# Altium PCB ControlBoard.PcbDoc (part 1 of 2) (continued)
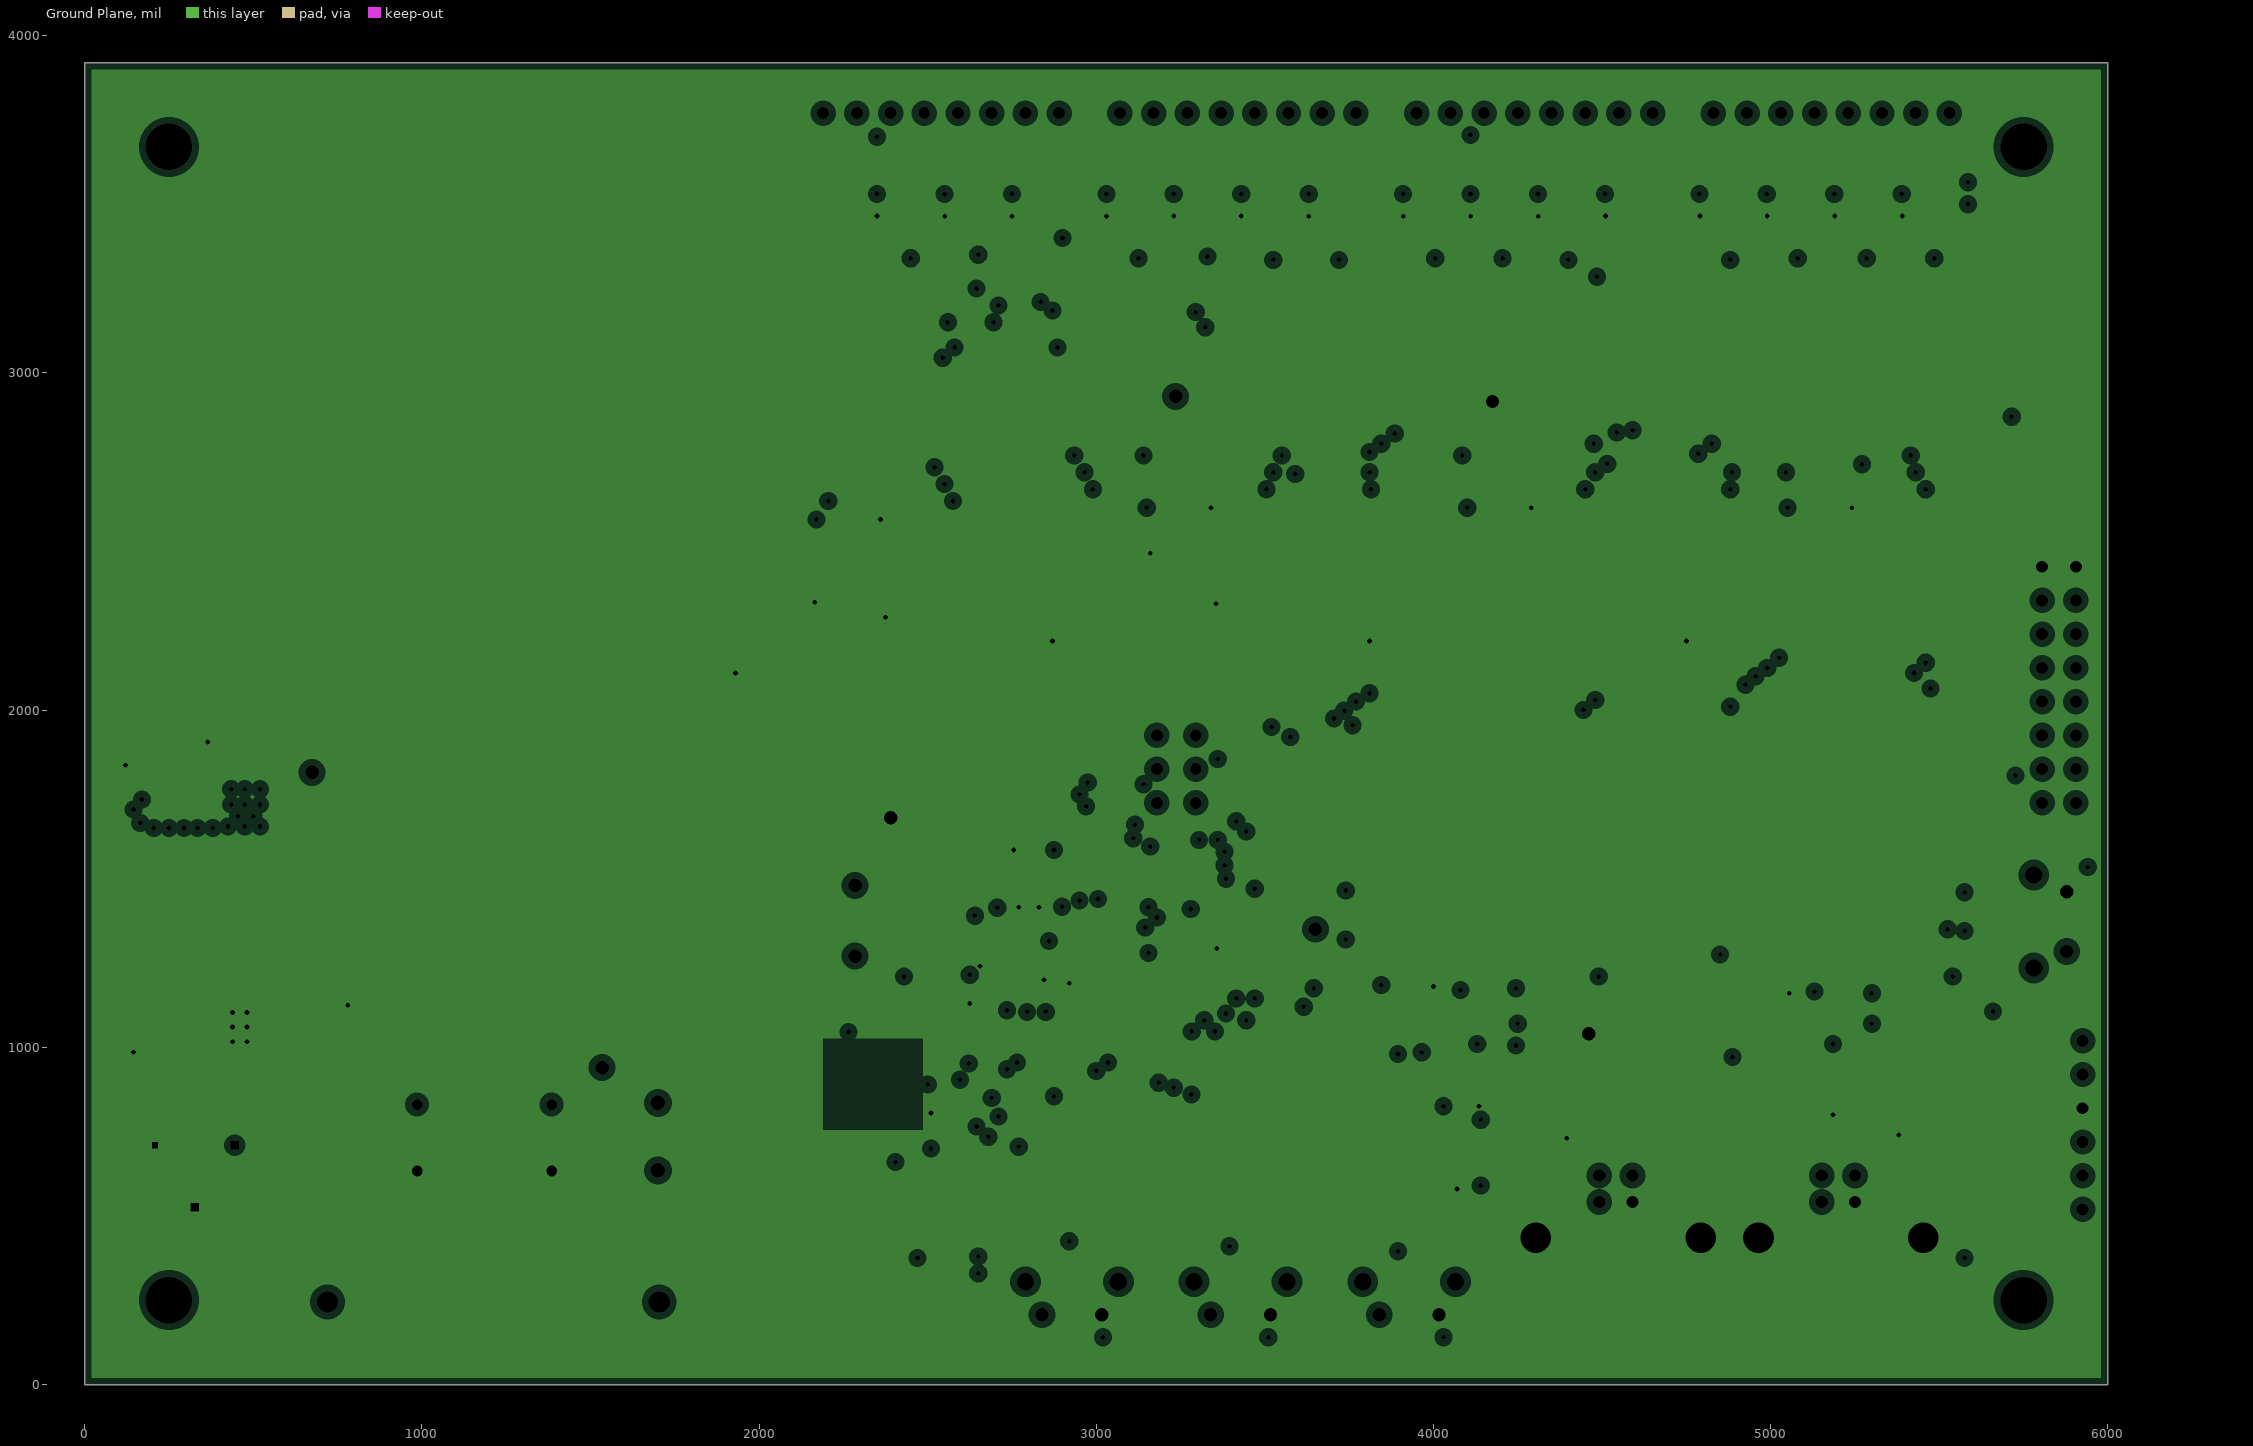
[diagram p3: Ground Plane, clearances drawn from the general rule]
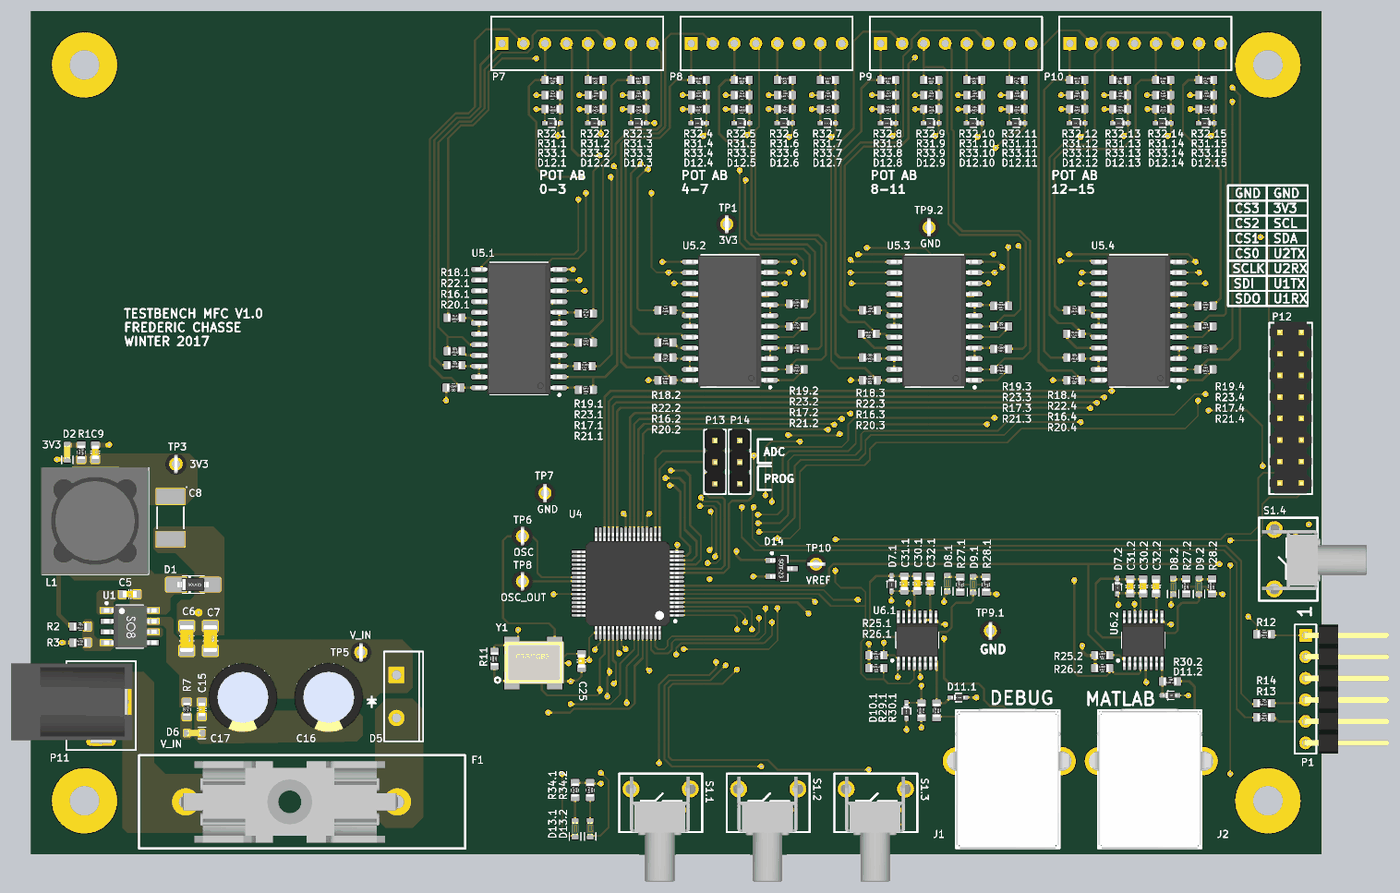
[diagram p5: 3D render of the assembled board from above, using the file's embedded part models]
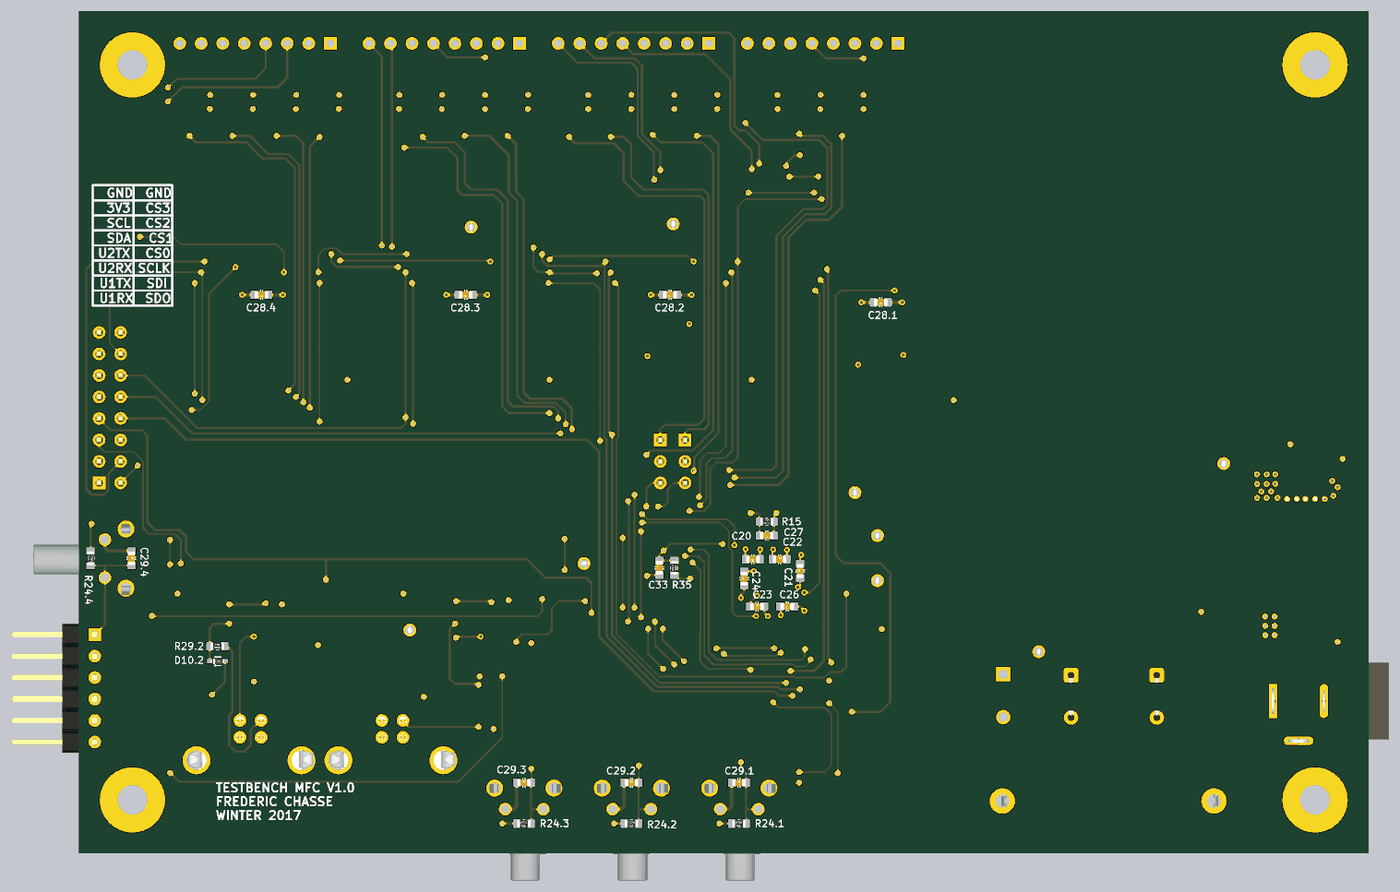
[diagram p6: 3D render of the assembled board from below, using the file's embedded part models]

## Layer stack, top to bottom
Top Solder: solder mask 0.4, Solder Resist, Dk 3.5
Top Layer: signal copper 1.4
Dielectric 1: core 10, FR-4, Dk 4.2
Power Plane: plane copper 1.417, net 3V3
Dielectric 2: core 10, Dk 4.2
Ground Plane: plane copper 1.417, net GND
Dielectric 3: prepreg 5, Dk 4.2
Bottom Layer: signal copper 1.4
Bottom Solder: solder mask 0.4, Solder Resist, Dk 3.5

## Board outline
0,0 0,3920 6000,3920 6000,0

## Design rules (kind name [scope] priority, off if disabled: settings)
Clearance "Clearance IC pads" [(HasFootprint('IC-HTSSOP-14') OR HasFootprint('IC-TQFP-64') OR HasFootprint('IC-TSSOP-28')) vs (HasFootprint('IC-HTSSOP-14') OR HasFootprint('IC-TQFP-64') OR HasFootprint('IC-TSSOP-28'))] p1: gap=0
Clearance [All] p2: gap=8
HoleSize [All] p1: absolutevalues=TRUE maxlimit=200 minlimit=5 maxpercent=80.000 minpercent=20.000
MinimumSolderMaskSliver [All] p1: minsoldermaskwidth=0
PlaneClearance [All] p1: clearance=20
PlaneConnect PlaneConnect_Vias [IsVia] p1: planeconnectstyle=Direct reliefexpansion=20 reliefentries=4 reliefconductorwidth=10 reliefairgap=10
PlaneConnect [All] p2: planeconnectstyle=Relief reliefexpansion=20 reliefentries=4 reliefconductorwidth=40 reliefairgap=10
PolygonConnect PolygonConnect_Vias [IsVia] p1: connectstyle=Direct reliefconductorwidth=10 reliefentries=4 polygonreliefangle="90 Angle" airgapwidth=10
PolygonConnect [All] p2: connectstyle=Relief reliefconductorwidth=40 reliefentries=4 polygonreliefangle="90 Angle" airgapwidth=10
RoutingVias [All] p1: holewidth=14 width=28 viastyle="Through Hole" minholewidth=14 minwidth=28 maxholewidth=28 maxwidth=50
SilkToSilkClearance [All] p1: silktosilkclearance=5
SilkToSolderMaskClearance [IsPad vs IsDesignator OR IsText] p1: minsilkscreentomaskgap=6 clearancetoexposedcopper=TRUE
SolderMaskExpansion [All] p1: expansion=4
Width [All] p1: maxlimit=40 minlimit=8 preferedwidth=10 minimp=50.000000 maximp=50.000000 favimp=50.000000
24 further rules are at their usual default settings.

## Classes and differential pairs
component class U_Vref: C33 D14 R35 TP10
channel class LED_debug: LED_DBG1 LED_DBG2
net class LED_DBG[2..1]: LED_DBG1 LED_DBG2
component class LED_DBG2: D13.2 R34.2
component class LED_DBG1: D13.1 R34.1
component class ControlBoard: J1 J2 P1 P7 P8 P9 P10 P11 P12 TP1
component class U_DC-DC: C5 C6 C7 C8 C9 C15 C16 C17 D1 D2 D5 D6 F1 L1 R1 R2 R3 R7 TP3 TP5 U1
component class U_PIC32MX_circuit: C20 C21 C22 C23 C24 C25 C26 C27 P13 P14 R11 R12 R13 R14 R15 TP6 TP7 TP8 U4 Y1
component class POT4: C28.4 R16.4 R17.4 R18.4 R19.4 R20.4 R21.4 R22.4 R23.4 U5.4
component class POT3: C28.3 R16.3 R17.3 R18.3 R19.3 R20.3 R21.3 R22.3 R23.3 U5.3
component class POT2: C28.2 R16.2 R17.2 R18.2 R19.2 R20.2 R21.2 R22.2 R23.2 U5.2
component class POT1: C28.1 R16.1 R17.1 R18.1 R19.1 R20.1 R21.1 R22.1 R23.1 U5.1
component class U_Push_Button: C29.4 R24.4 S1.4
component class DBG: C30.1 C31.1 C32.1 D7.1 D8.1 D9.1 D10.1 D11.1 R25.1 R26.1 R27.1 R28.1 R29.1 R30.1 TP9.1 U6.1
component class MAT: C30.2 C31.2 C32.2 D7.2 D8.2 D9.2 D10.2 D11.2 R25.2 R26.2 R27.2 R28.2 R29.2 R30.2 TP9.2 U6.2
net class ADC[16..2]: ADC2 ADC3 ADC4 ADC5 ADC6 ADC7 ADC8 ADC9 ADC10 ADC11 ADC12 ADC13 ADC14 ADC15 ADC16
net class CS[3..0]: CS0 CS1 CS2 CS3
net class GP_SW[3..1]: GP1 GP2 GP3 GP_SW1 GP_SW2 GP_SW3
net class P\O\T\_\R\S\T\[3..0]: P\O\T\_\R\S\T\0 P\O\T\_\R\S\T\1 P\O\T\_\R\S\T\2 P\O\T\_\R\S\T\3
net class P\O\T\_\S\H\D\N\[3..0]: P\O\T\_\S\H\D\N\0 P\O\T\_\S\H\D\N\1 P\O\T\_\S\H\D\N\2 P\O\T\_\S\H\D\N\3
net class POTA[16..1]: POTA1 POTA2 POTA3 POTA4 POTA5 POTA6 POTA7 POTA8 POTA9 POTA10 POTA11 POTA12 POTA13 POTA14 POTA15 POTA16
net class POTB[16..1]: POTB1 POTB2 POTB3 POTB4 POTB5 POTB6 POTB7 POTB8 POTB9 POTB10 POTB11 POTB12 POTB13 POTB14 POTB15 POTB16
channel class Potentiometer: POT1 POT2 POT3 POT4
channel class Push_Button: Repeat(GP_SW,0,2) RESET_PB
channel class USB-UART: DBG MAT
component class SP1: D12.1 R31.1 R32.1 R33.1
component class SP2: D12.2 R31.2 R32.2 R33.2
component class SP3: D12.3 R31.3 R32.3 R33.3
component class SP4: D12.4 R31.4 R32.4 R33.4
component class SP5: D12.5 R31.5 R32.5 R33.5
component class SP6: D12.6 R31.6 R32.6 R33.6
component class SP7: D12.7 R31.7 R32.7 R33.7
component class SP8: D12.8 R31.8 R32.8 R33.8
component class SP9: D12.9 R31.9 R32.9 R33.9
component class SP10: D12.10 R31.10 R32.10 R33.10
component class SP11: D12.11 R31.11 R32.11 R33.11
component class SP12: D12.12 R31.12 R32.12 R33.12
component class SP13: D12.13 R31.13 R32.13 R33.13
component class SP14: D12.14 R31.14 R32.14 R33.14
component class SP15: D12.15 R31.15 R32.15 R33.15
component class GP1: C29.1 R24.1 S1.1
component class GP2: C29.2 R24.2 S1.2
component class GP3: C29.3 R24.3 S1.3
channel class Signal_Protection: SP1 SP2 SP3 SP4 SP5 SP6 SP7 SP8 SP9 SP10 SP11 SP12 SP13 SP14 SP15

## Components (designator, comment, footprint, x,y, rotation, side; value= is the part's Value field where it differs from the comment)
C5 "CS - CAPACITOR" CS-0603 460,1210 r180 top
C6 "CS - CAPACITOR" CS-1206 725,1005 r270 top
C7 "CS - CAPACITOR" CS-1206 835,1005 r270 top
C8 "CS - CAPACITOR POL" CS-2312 650,1565 r270 top
C9 "CS - CAPACITOR" CS-0603 300,1870 r270 top
C15 "CS - CAPACITOR" CS-0603 795,675 r90 top
C16 "CT - CAPACITOR ELECTROLYTIC" CT-CAP-ALUM-8X14 1385,830 r270 top
C17 "CT - CAPACITOR ELECTROLYTIC" CT-CAP-ALUM-8X14 986,830 r270 top
C20 "CS - CAPACITOR" CS-0603 2865,1370 r0 bottom
C21 "CS - CAPACITOR" CS-0603 2645,1315 r90 bottom
C22 "CS - CAPACITOR" CS-0603 2740,1370 r180 bottom
C23 "CS - CAPACITOR" CS-0603 2845,1150 r180 bottom
C24 "CS - CAPACITOR" CS-0603 2905,1280 r90 bottom
C25 "CS - CAPACITOR" CS-0603 2560,900 r90 top
C26 "CS - CAPACITOR" CS-0603 2705,1150 r0 bottom
C27 "CS - CAPACITOR" CS-0603 2800,1480 r0 bottom
C28.1 "CS - CAPACITOR" CS-0603 2270,2565 r0 bottom (schematic designator C28)
C28.2 "CS - CAPACITOR" CS-0603 3250,2600 r0 bottom (schematic designator C28)
C28.3 "CS - CAPACITOR" CS-0603 4200,2600 r0 bottom (schematic designator C28)
C28.4 "CS - CAPACITOR" CS-0603 5150,2600 r0 bottom (schematic designator C28)
C29.1 "CS - CAPACITOR" CS-0603 2929.21,330 r180 bottom (schematic designator C29)
C29.2 "CS - CAPACITOR" CS-0603 3429.21,330 r180 bottom (schematic designator C29)
C29.3 "CS - CAPACITOR" CS-0603 3929.21,330 r180 bottom (schematic designator C29)
C29.4 "CS - CAPACITOR" CS-0603 5754.96,1374.21 r270 bottom (schematic designator C29)
C30.1 "CS - CAPACITOR" CS-0603 4120,1260 r90 top (schematic designator C30)
C30.2 "CS - CAPACITOR" CS-0603 5170,1246.54 r90 top (schematic designator C30)
C31.1 "CS - CAPACITOR" CS-0603 4060,1260 r90 top (schematic designator C31)
C31.2 "CS - CAPACITOR" CS-0603 5110,1246.54 r90 top (schematic designator C31)
C32.1 "CS - CAPACITOR" CS-0603 4180,1260 r90 top (schematic designator C32)
C32.2 "CS - CAPACITOR" CS-0603 5230,1246.54 r90 top (schematic designator C32)
C33 "CS - CAPACITOR" CS-0603 3300,1330 r90 bottom
D1 "B340A-13-F" DS-DO-214AC-SMA 755,1255 r0 top
D2 "LED - NORMAL LED" "LED-0603 YELLOW" 170,1870 r270 top
D5 "DT - Diode" TO-220AC 1700,735 r270 top
D6 "LED - NORMAL LED" "LED-0603 YELLOW" 760,565 r0 top
D7.1 "DS - TVS ESD5Z5.0T1G" DS-SOD523 4000,1260 r270 top (schematic designator D7)
D7.2 "DS - TVS ESD5Z5.0T1G" DS-SOD523 5050,1246.54 r270 top (schematic designator D7)
D8.1 "LED - NORMAL LED" "LED-0603 GREEN" 4260,1260 r270 top (schematic designator D8)
D8.2 "LED - NORMAL LED" "LED-0603 GREEN" 5310,1246.54 r270 top (schematic designator D8)
D9.1 "LED - NORMAL LED" "LED-0603 GREEN" 4380,1255 r270 top (schematic designator D9)
D9.2 "LED - NORMAL LED" "LED-0603 GREEN" 5430,1246.54 r270 top (schematic designator D9)
D10.1 "DS - TVS ESD5Z5.0T1G" DS-SOD523 4070,670 r270 top (schematic designator D10)
D10.2 "DS - TVS ESD5Z5.0T1G" DS-SOD523 5355,895 r180 bottom (schematic designator D10)
D11.1 "DS - TVS ESD5Z5.0T1G" DS-SOD523 4310,730 r0 top (schematic designator D11)
D11.2 "DS - TVS ESD5Z5.0T1G" DS-SOD523 5295,740 r0 top (schematic designator D11)
D12.1 "DS - TVS ESD5Z3.3T1G" DS-SOD523 2425,3400 r180 top (schematic designator D12)
D12.2 "DS - TVS ESD5Z3.3T1G" DS-SOD523 2625,3400 r180 top (schematic designator D12)
D12.3 "DS - TVS ESD5Z3.3T1G" DS-SOD523 2825,3400 r180 top (schematic designator D12)
D12.4 "DS - TVS ESD5Z3.3T1G" DS-SOD523 3105,3400 r180 top (schematic designator D12)
D12.5 "DS - TVS ESD5Z3.3T1G" DS-SOD523 3305,3400 r180 top (schematic designator D12)
D12.6 "DS - TVS ESD5Z3.3T1G" DS-SOD523 3505,3400 r180 top (schematic designator D12)
D12.7 "DS - TVS ESD5Z3.3T1G" DS-SOD523 3705,3400 r180 top (schematic designator D12)
D12.8 "DS - TVS ESD5Z3.3T1G" DS-SOD523 3985,3400 r180 top (schematic designator D12)
D12.9 "DS - TVS ESD5Z3.3T1G" DS-SOD523 4185,3400 r180 top (schematic designator D12)
D12.10 "DS - TVS ESD5Z3.3T1G" DS-SOD523 4385,3400 r180 top (schematic designator D12)
D12.11 "DS - TVS ESD5Z3.3T1G" DS-SOD523 4583.46,3400 r180 top (schematic designator D12)
D12.12 "DS - TVS ESD5Z3.3T1G" DS-SOD523 4863.46,3400 r180 top (schematic designator D12)
D12.13 "DS - TVS ESD5Z3.3T1G" DS-SOD523 5063.46,3400 r180 top (schematic designator D12)
D12.14 "DS - TVS ESD5Z3.3T1G" DS-SOD523 5263.46,3400 r180 top (schematic designator D12)
D12.15 "DS - TVS ESD5Z3.3T1G" DS-SOD523 5463.46,3400 r180 top (schematic designator D12)
D13.1 "LED - NORMAL LED" "LED-0603 GREEN" 2530,120 r270 top (schematic designator D13)
D13.2 "LED - NORMAL LED" "LED-0603 GREEN" 2600,120 r270 top (schematic designator D13)
D14 "DS - LM4040" IC-SOT-23 3550,1380 r0 top
F1 "FT - Fuse" "FT - 5mm x 20mm" 720,245 r0 top
J1 "USB 4 pins" "CON-USB TYPE B" 4590,620 r0 top
J2 "USB 4 pins" "CON-USB TYPE B" 5250,620 r0 top
L1 "LS - INDUCTOR" "LS-Inductor SMD" 300,1550 r90 top
P1 "CON - HEADER PROG" CON-HEADER-1X6-RA 5925,1019.21 r270 top
P7 "CON - HEADER 1X8" CON-HEADER-1X8 2190,3770 r0 top
P8 "CON - HEADER 1X8" CON-HEADER-1X8 3070,3770 r0 top
P9 "CON - HEADER 1X8" CON-HEADER-1X8 3950,3770 r0 top
P10 "CON - HEADER 1X8" CON-HEADER-1X8 4830,3770 r0 top
P11 "CON - POWER CONNECTOR" "CON-POWER CONNECTOR" 445,710 r180 top
P12 "CON - HEADER 2X8" CON-HEADER-2X8 5905,1725 r90 top
P13 "CON - HEADER 1X3" CON-HEADER-1X3 3180,1925 r270 top
P14 "CON - HEADER 1X3" CON-HEADER-1X3 3295,1925 r270 top
R1 "RS - RESISTOR" RS-0603 235,1870 r90 top
R2 "RS - RESISTOR" RS-0603 230,1060 r0 top
R3 "RS - RESISTOR" RS-0603 230,985 r180 top
R7 "RS - RESISTOR" RS-0603 725,675 r90 top
R11 "RS - RESISTOR" RS-0603 2155,910 r270 top
R12 "RS - RESISTOR" RS-0603 5732,1024 r0 top
R13 "RS - RESISTOR" RS-0603 5732,638 r0 top
R14 "RS - RESISTOR" RS-0603 5732,704 r0 top
R15 "RS - RESISTOR" RS-0603 2800,1545 r180 bottom
R16.1 "RS - RESISTOR" RS-0603 1970,2275 r0 top (schematic designator R16)
R16.2 "RS - RESISTOR" RS-0603 2950,2310 r0 top (schematic designator R16)
R16.3 "RS - RESISTOR" RS-0603 3900,2310 r0 top (schematic designator R16)
R16.4 "RS - RESISTOR" RS-0603 4850,2310 r0 top (schematic designator R16)
R17.1 "RS - RESISTOR" RS-0603 2575,2270 r180 top (schematic designator R17)
R17.2 "RS - RESISTOR" RS-0603 3560,2350 r180 top (schematic designator R17)
R17.3 "RS - RESISTOR" RS-0603 4510,2350 r180 top (schematic designator R17)
R17.4 "RS - RESISTOR" RS-0603 5460,2350 r180 top (schematic designator R17)
R18.1 "RS - RESISTOR" RS-0603 1970,2495 r0 top (schematic designator R18)
R18.2 "RS - RESISTOR" RS-0603 2950,2530 r0 top (schematic designator R18)
R18.3 "RS - RESISTOR" RS-0603 3900,2530 r0 top (schematic designator R18)
R18.4 "RS - RESISTOR" RS-0603 4850,2530 r0 top (schematic designator R18)
R19.1 "RS - RESISTOR" RS-0603 2580,2515 r180 top (schematic designator R19)
R19.2 "RS - RESISTOR" RS-0603 3560,2560 r180 top (schematic designator R19)
R19.3 "RS - RESISTOR" RS-0603 4510,2550 r180 top (schematic designator R19)
R19.4 "RS - RESISTOR" RS-0603 5460,2550 r180 top (schematic designator R19)
R20.1 "RS - RESISTOR" RS-0603 1965,2170 r180 top (schematic designator R20)
R20.2 "RS - RESISTOR" RS-0603 2950,2205 r180 top (schematic designator R20)
R20.3 "RS - RESISTOR" RS-0603 3900,2205 r180 top (schematic designator R20)
R20.4 "RS - RESISTOR" RS-0603 4850,2205 r180 top (schematic designator R20)
R21.1 "RS - RESISTOR" RS-0603 2580,2160 r180 top (schematic designator R21)
R21.2 "RS - RESISTOR" RS-0603 3560,2255 r0 top (schematic designator R21)
R21.3 "RS - RESISTOR" RS-0603 4510,2255 r0 top (schematic designator R21)
R21.4 "RS - RESISTOR" RS-0603 5460,2255 r0 top (schematic designator R21)
R22.1 "RS - RESISTOR" RS-0603 1970,2340 r0 top (schematic designator R22)
R22.2 "RS - RESISTOR" RS-0603 2950,2380 r0 top (schematic designator R22)
R22.3 "RS - RESISTOR" RS-0603 3895,2420 r180 top (schematic designator R22)
R22.4 "RS - RESISTOR" RS-0603 4850,2420 r180 top (schematic designator R22)
R23.1 "RS - RESISTOR" RS-0603 2580,2380 r180 top (schematic designator R23)
R23.2 "RS - RESISTOR" RS-0603 3560,2455 r0 top (schematic designator R23)
R23.3 "RS - RESISTOR" RS-0603 4510,2455 r0 top (schematic designator R23)
R23.4 "RS - RESISTOR" RS-0603 5460,2455 r0 top (schematic designator R23)
R24.1 "RS - RESISTOR" RS-0603 2929.21,140 r0 bottom (schematic designator R24)
R24.2 "RS - RESISTOR" RS-0603 3429.21,140 r0 bottom (schematic designator R24)
R24.3 "RS - RESISTOR" RS-0603 3929.21,140 r0 bottom (schematic designator R24)
R24.4 "RS - RESISTOR" RS-0603 5944.96,1374.21 r90 bottom (schematic designator R24)
R25.1 "RS - RESISTOR" RS-0603 3930,926.54 r180 top (schematic designator R25)
R25.2 "RS - RESISTOR" RS-0603 4980,926.54 r180 top (schematic designator R25)
R26.1 "RS - RESISTOR" RS-0603 3930,866.54 r180 top (schematic designator R26)
R26.2 "RS - RESISTOR" RS-0603 4980,866.54 r180 top (schematic designator R26)
R27.1 "RS - RESISTOR" RS-0603 4320,1255 r270 top (schematic designator R27)
R27.2 "RS - RESISTOR" RS-0603 5370,1246.54 r270 top (schematic designator R27)
R28.1 "RS - RESISTOR" RS-0603 4440,1255 r270 top (schematic designator R28)
R28.2 "RS - RESISTOR" RS-0603 5490,1246.54 r270 top (schematic designator R28)
R29.1 "RS - RESISTOR" RS-0603 4140,670 r270 top (schematic designator R29)
R29.2 "RS - RESISTOR" RS-0603 5355,965 r180 bottom (schematic designator R29)
R30.1 "RS - RESISTOR" RS-0603 4210,670 r270 top (schematic designator R30)
R30.2 "RS - RESISTOR" RS-0603 5295,805 r0 top (schematic designator R30)
R31.1 "RS - RESISTOR" RS-0603 2425,3530 r0 top (schematic designator R31)
R31.2 "RS - RESISTOR" RS-0603 2625,3530 r0 top (schematic designator R31)
R31.3 "RS - RESISTOR" RS-0603 2825,3530 r0 top (schematic designator R31)
R31.4 "RS - RESISTOR" RS-0603 3105,3530 r0 top (schematic designator R31)
R31.5 "RS - RESISTOR" RS-0603 3305,3530 r0 top (schematic designator R31)
R31.6 "RS - RESISTOR" RS-0603 3505,3530 r0 top (schematic designator R31)
R31.7 "RS - RESISTOR" RS-0603 3705,3530 r0 top (schematic designator R31)
R31.8 "RS - RESISTOR" RS-0603 3985,3530 r0 top (schematic designator R31)
R31.9 "RS - RESISTOR" RS-0603 4185,3530 r0 top (schematic designator R31)
R31.10 "RS - RESISTOR" RS-0603 4385,3530 r0 top (schematic designator R31)
R31.11 "RS - RESISTOR" RS-0603 4583.46,3530 r0 top (schematic designator R31)
R31.12 "RS - RESISTOR" RS-0603 4863.46,3530 r0 top (schematic designator R31)
R31.13 "RS - RESISTOR" RS-0603 5063.46,3530 r0 top (schematic designator R31)
R31.14 "RS - RESISTOR" RS-0603 5263.46,3530 r0 top (schematic designator R31)
R31.15 "RS - RESISTOR" RS-0603 5463.46,3530 r0 top (schematic designator R31)
R32.1 "RS - RESISTOR" RS-0603 2425,3600 r180 top (schematic designator R32)
R32.2 "RS - RESISTOR" RS-0603 2625,3600 r180 top (schematic designator R32)
R32.3 "RS - RESISTOR" RS-0603 2825,3600 r180 top (schematic designator R32)
R32.4 "RS - RESISTOR" RS-0603 3105,3600 r180 top (schematic designator R32)
R32.5 "RS - RESISTOR" RS-0603 3305,3600 r180 top (schematic designator R32)
R32.6 "RS - RESISTOR" RS-0603 3505,3600 r180 top (schematic designator R32)
R32.7 "RS - RESISTOR" RS-0603 3705,3600 r180 top (schematic designator R32)
R32.8 "RS - RESISTOR" RS-0603 3985,3600 r180 top (schematic designator R32)
R32.9 "RS - RESISTOR" RS-0603 4185,3600 r180 top (schematic designator R32)
R32.10 "RS - RESISTOR" RS-0603 4385,3600 r180 top (schematic designator R32)
R32.11 "RS - RESISTOR" RS-0603 4583.46,3600 r180 top (schematic designator R32)
R32.12 "RS - RESISTOR" RS-0603 4863.46,3600 r180 top (schematic designator R32)
R32.13 "RS - RESISTOR" RS-0603 5063.46,3600 r180 top (schematic designator R32)
R32.14 "RS - RESISTOR" RS-0603 5263.46,3600 r180 top (schematic designator R32)
R32.15 "RS - RESISTOR" RS-0603 5463.46,3600 r180 top (schematic designator R32)
R33.1 "RS - RESISTOR" RS-0603 2425,3465 r0 top (schematic designator R33)
R33.2 "RS - RESISTOR" RS-0603 2625,3465 r0 top (schematic designator R33)
R33.3 "RS - RESISTOR" RS-0603 2825,3465 r0 top (schematic designator R33)
R33.4 "RS - RESISTOR" RS-0603 3105,3465 r0 top (schematic designator R33)
R33.5 "RS - RESISTOR" RS-0603 3305,3465 r0 top (schematic designator R33)
R33.6 "RS - RESISTOR" RS-0603 3505,3465 r0 top (schematic designator R33)
R33.7 "RS - RESISTOR" RS-0603 3705,3465 r0 top (schematic designator R33)
R33.8 "RS - RESISTOR" RS-0603 3985,3465 r0 top (schematic designator R33)
R33.9 "RS - RESISTOR" RS-0603 4185,3465 r0 top (schematic designator R33)
R33.10 "RS - RESISTOR" RS-0603 4385,3465 r0 top (schematic designator R33)
R33.11 "RS - RESISTOR" RS-0603 4583.46,3465 r0 top (schematic designator R33)
R33.12 "RS - RESISTOR" RS-0603 4863.46,3465 r0 top (schematic designator R33)
R33.13 "RS - RESISTOR" RS-0603 5063.46,3465 r0 top (schematic designator R33)
R33.14 "RS - RESISTOR" RS-0603 5263.46,3465 r0 top (schematic designator R33)
R33.15 "RS - RESISTOR" RS-0603 5463.46,3465 r0 top (schematic designator R33)